# Altium PCB TTN_Gateway_V2.3.1.PcbDoc (part 3 of 3)
Units mm, origin at the board's own origin, x right, y up, seen from the top; angles counter-clockwise.
Board outline 133 x 122.84 mm, 4 copper layers (Component Side, Signal Layer 1, Signal Layer 3, Solder Side), stack 0.844 mm thick; 331 components, 261 nets, 1123 pads, 1128 vias.
Unrouted connection lines stored in the file: 8.
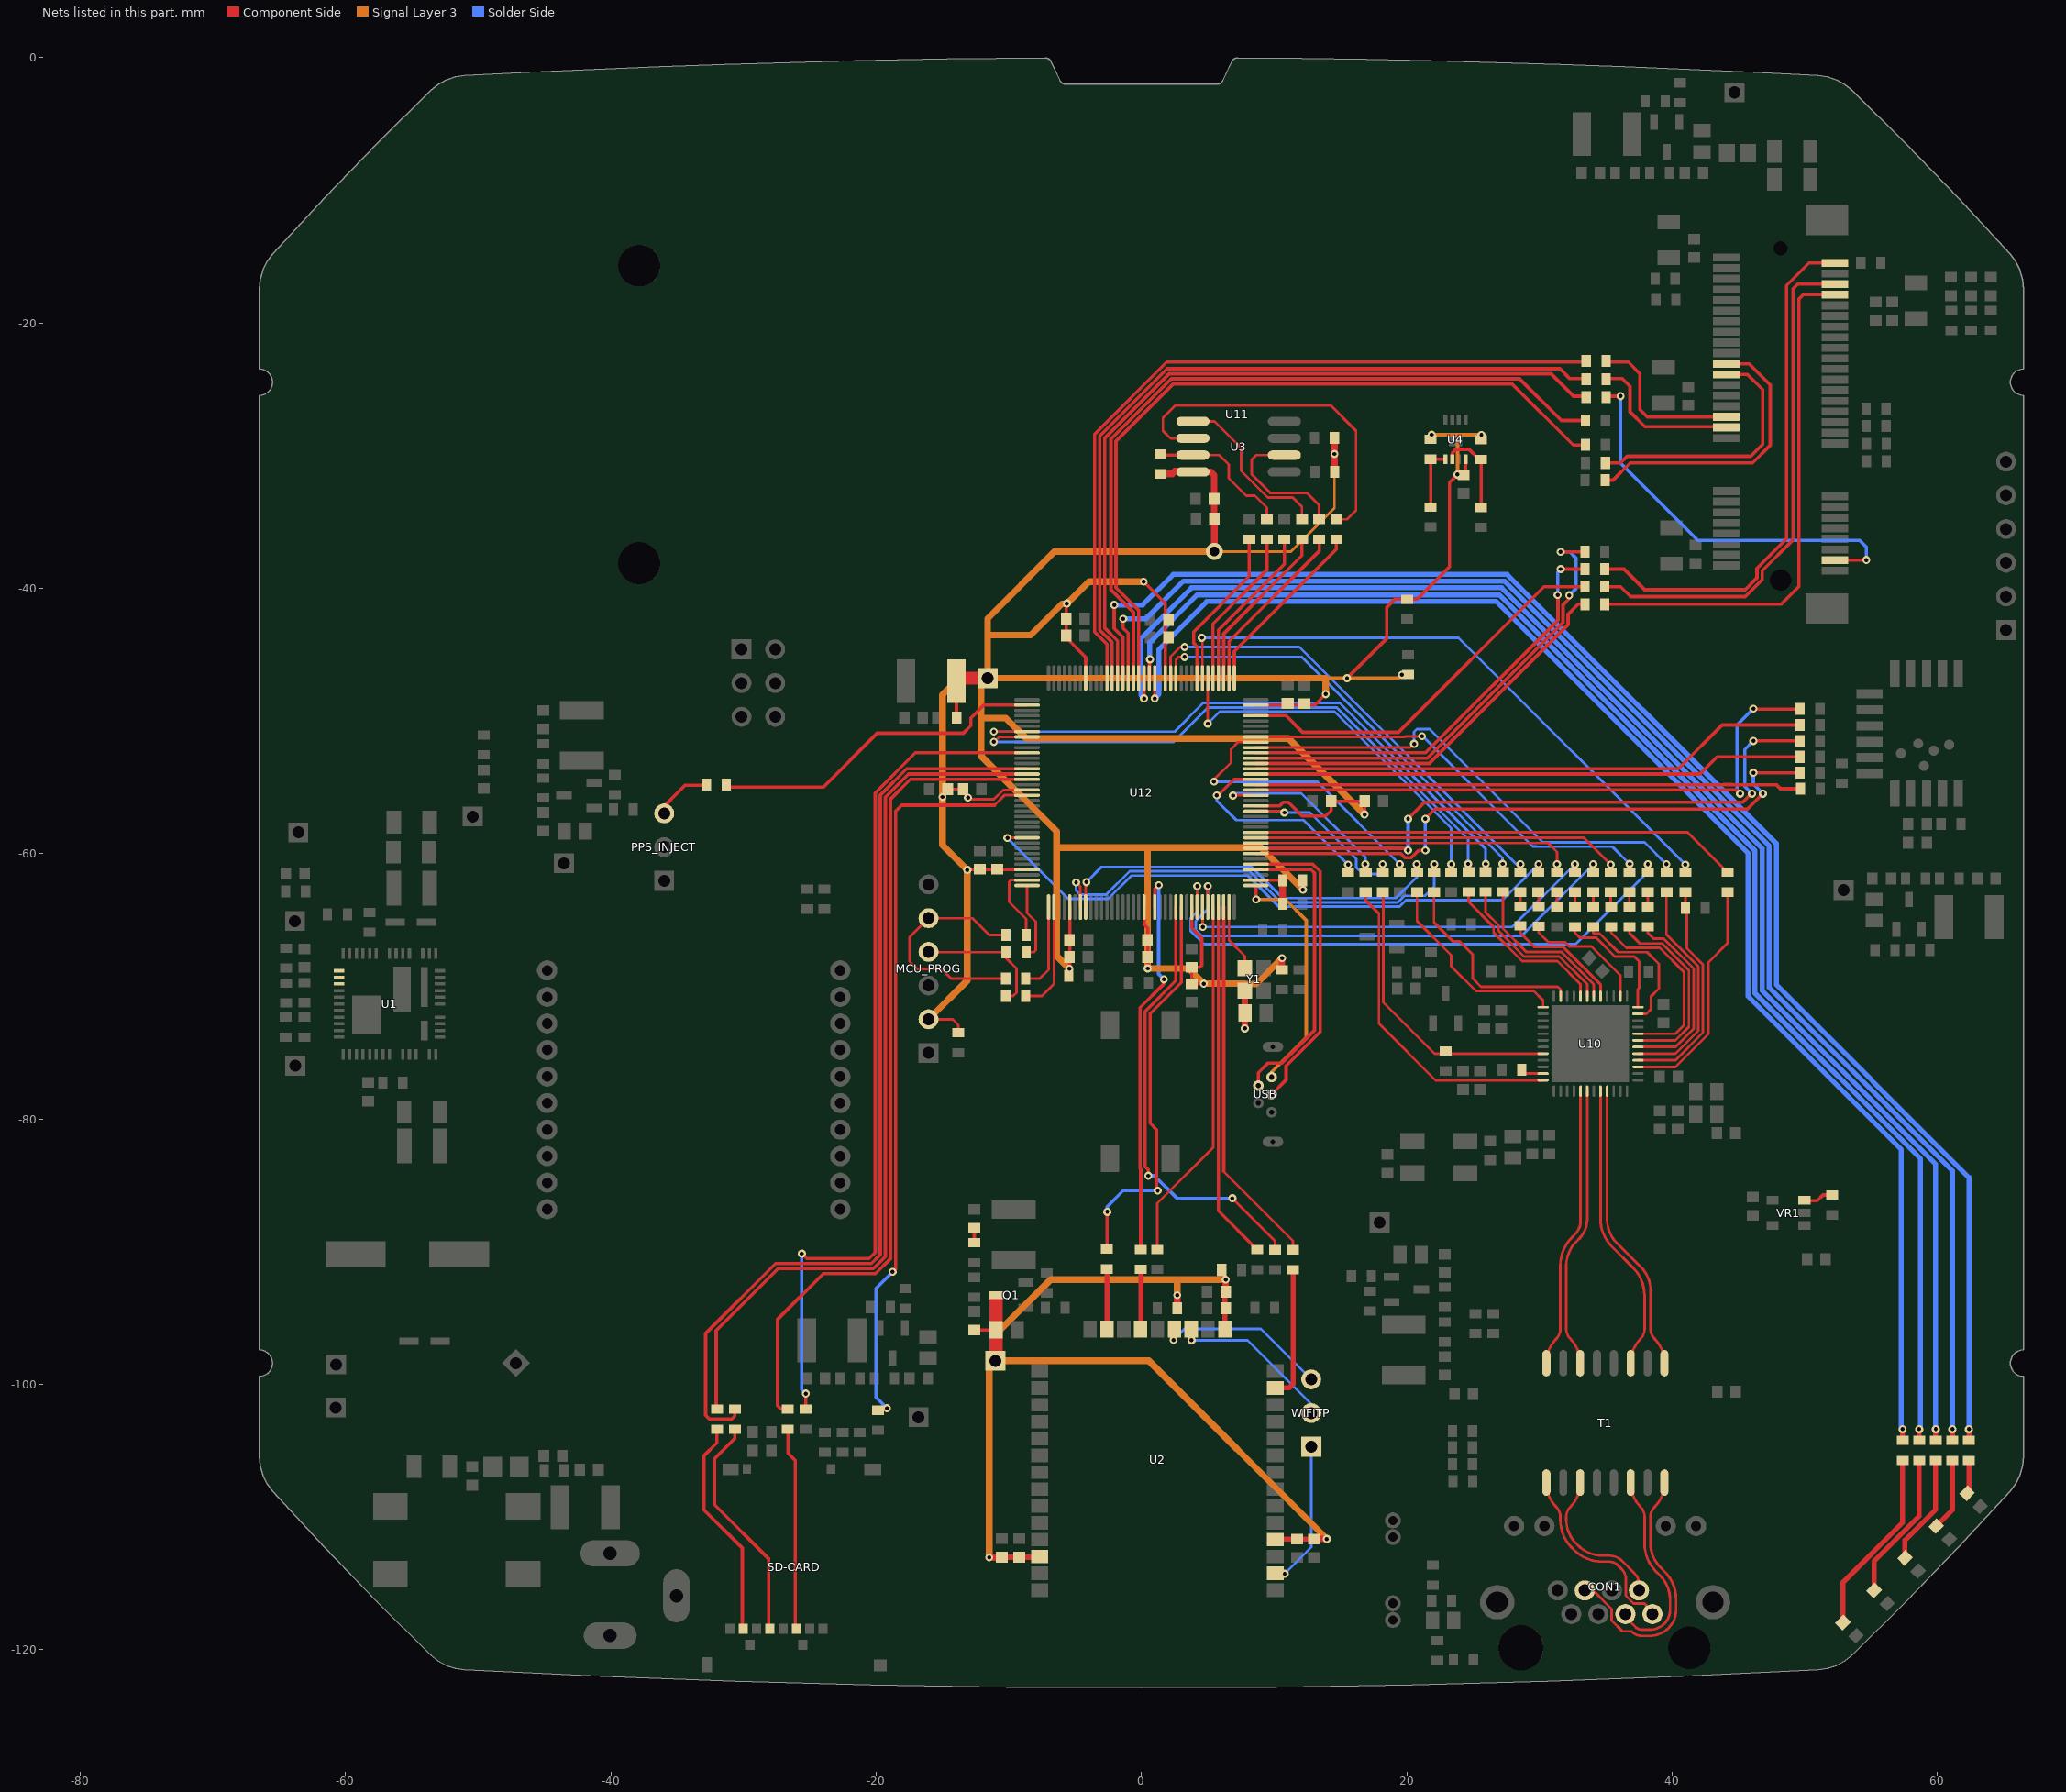
[diagram p5: the nets of this part, all layers, seen from the top]

## Via types
v1: diameter 0.61, hole 0.305, Component Side to Solder Side, tented both sides, 817 vias
v2: diameter 0.5, hole 0.3, Component Side to Solder Side, tented both sides, 272 vias
v3: diameter 0.66, hole 0.33, Component Side to Solder Side, tented top, 25 vias
v4: diameter 1.27, hole 0.711, Component Side to Solder Side, 12 vias
v5: diameter 6.1, hole 3.1, Component Side to Solder Side, 2 vias

## Nets (pads, with @x,y where several pads share a name; then routed paths per layer and width w, separated by ;. In a path a pad name is that pad's centre, name@x,y a point inside that pad or via, vN(x,y) a via of type N, cw(c..) or ccw(c..) an arc to the next point about the centre after c; other vN are vias at no path point) (continued)
NetR73_1: R73.1 R92.2 U3.7 | length 11.2
  Component Side w0.2: U3.7@3.877,-29.957 5.86,-29.957 6.575,-30.672 6.575,-31.697 7.9,-33.022 8.55,-33.022 9.45,-33.922 R92.2@9.45,-34.797
  Component Side w0.254: R73.1@1.45,-29.872 1.535,-29.957 U3.7@3.877,-29.957
NetR75_1: R75.1 U2.22 | length 4.5
  Component Side w0.381: U2.22@-2.6,-95.825 R75.1@-2.6,-91.299
NetR75_2: R75.2 U12.62 | length 30.1
  Component Side w0.254: R75.2@-2.6,-89.8 -2.6,-87.022 v1(-2.575,-86.997) ; v1(1.225,-85.397) 1.125,-85.297 1.125,-80.789 0.658,-80.322 0.658,-72.05 3,-69.708 U12.62@3,-64.022
  Solder Side w0.254: v1(-2.575,-86.997) -2.575,-86.597 -1.375,-85.397 v1(1.225,-85.397)
NetR76_2: R76.2 U12.61 | length 33.6
  Component Side w0.2: v1(6.85,-85.972) 10.075,-89.197 R76.2@10.075,-89.85
  Component Side w0.254: v1(0.525,-84.272) 0.525,-83.822 0.279,-83.576 0.279,-71.893 2.6,-69.572 U12.61@2.6,-64.022
  Solder Side w0.254: v1(0.525,-84.272) 0.975,-84.272 2.675,-85.972 v1(6.85,-85.972)
NetR77_1: R77.1 U2.13 | length 10.1
  Component Side w0.381: U2.13@10.1,-100.27 11.13,-100.27 11.425,-99.975 R77.1@11.425,-91.349
NetR77_2: R77.2 U12.70 | length 28
  Component Side w0.2: 6.2,-83.952 11.425,-89.177 R77.2@11.425,-89.85
  Component Side w0.254: 6.2,-83.952 U12.70@6.2,-64.022
NetR78_2: R78.2 U12.69 | length 27
  Component Side w0.254: U12.69@5.8,-64.022 5.8,-86.922 R78.2@8.725,-89.847
NetR79_1: R79.1 Wifi_short.2 | length 1.1
  Component Side w0.254: R79.1@-12.6,-89.325 Wifi_short.2@-12.6,-88.225
NetR80_2: R80.2 U12.68 | length 27.5
  Component Side w0.2: R80.2@1.2,-89.824 1.2,-86.347 5.4,-82.147 U12.68@5.4,-64.022
NetR81_1: R81.1 U2.20 | length 4.5
  Component Side w0.381: U2.20@-0.06,-95.825 -0.05,-95.815 R81.1@-0.05,-91.324
NetR81_2: R81.2 U12.57 | length 30.1
  Component Side w0.254: R81.2@-0.05,-89.824 -0.05,-83.783 -0.1,-83.733 -0.1,-71.601 1.65,-69.851 v1@1.65,-69.497 ; U12.57@1,-64.022 1,-62.672 v1(1.3,-62.372)
  Solder Side w0.254: v1(1.3,-62.372) 1.3,-69.072 v1(1.7,-69.472)
NetR82_1: R82.1 SD-CARD.MOSI | length 15.3
  Component Side w0.254: R82.1@-26.65,-103.372 -26.65,-105.172 -26.087,-105.735 SD-CARD.MOSI@-26.087,-118.397
NetR82_2: R82.2 U12.16 | length 63.4
  Component Side w0.254: R82.2@-26.625,-101.847 -27.175,-101.847 -27.45,-101.572 -27.45,-95.122 -23.975,-91.647 -20.05,-91.647 -18.925,-90.522 -18.925,-55.897 -17.425,-54.397 U12.16@-8.625,-54.397
NetR83_1: R83.1 SD-CARD.MISO | length 16.6
  Component Side w0.254: R83.1@-32,-103.372 -32,-104.397 -32.982,-105.379 -32.982,-109.44 -30.087,-112.335 SD-CARD.MISO@-30.087,-118.397
NetR83_2: R83.2 U12.15 | length 67
  Component Side w0.254: R83.2@-32,-101.872 -32.05,-101.822 -32.05,-95.932 -27.386,-91.268 -20.207,-91.268 -19.304,-90.365 -19.304,-55.74 -17.561,-53.997 U12.15@-8.625,-53.997
NetR84_1: R84.1 SD-CARD.CLK | length 17.3
  Component Side w0.254: R84.1@-30.65,-103.372 -30.65,-104.074 -32.175,-105.599 -32.175,-109.072 -28.087,-113.16 SD-CARD.CLK@-28.087,-118.397
NetR84_2: R84.2 U12.14 | length 71.2
  Component Side w0.254: R84.2@-30.65,-101.872 -30.65,-102.372 -30.9,-102.622 -32.55,-102.622 -32.85,-102.322 -32.85,-96.161 -27.579,-90.889 -20.364,-90.889 -19.683,-90.208 -19.683,-55.583 -17.697,-53.597 U12.14@-8.625,-53.597
NetR85_2: R85.2 U12.11 | length 65
  Component Side w0.254: v1(-25.6,-90.147) -25.237,-90.51 -20.521,-90.51 -20.062,-90.051 -20.062,-55.426 -17.033,-52.397 U12.11@-8.625,-52.397 ; R85.2@-25.3,-101.797 v1(-25.3,-100.697) v1@-25.275,-100.672
  Solder Side w0.254: v1(-25.6,-90.147) -25.6,-100.397 v1(-25.3,-100.697)
NetR86_2: R86.2 U12.19 | length 56.4
  Component Side w0.2: -11.08,-56.347 -10.33,-55.597 U12.19@-8.625,-55.597
  Component Side w0.254: v1(-18.755,-91.517) -18.525,-91.287 -18.525,-56.792 -18.08,-56.347 -11.08,-56.347
  Solder Side w0.254: v1(-19.175,-101.797) -20,-100.972 -20,-92.762 v1(-18.755,-91.517)
NetR87_1: R87.1 U12.111 | length 12.9
  Component Side w0.254: U12.111@6.2,-46.772 6.2,-43.422 12.1,-37.522 R87.1@12.1,-36.297
NetR87_2: R87.2 U3.5 | length 12.8
  Component Side w0.2: U3.5@3.877,-27.417 5.52,-27.417 7.525,-29.422 7.525,-31.147 9.525,-33.147 11.4,-33.147 12.1,-33.847 R87.2@12.1,-34.797
NetR89_1: R89.1 U12.110 | length 13.3
  Component Side w0.254: U12.110@6.6,-46.772 6.6,-43.997 13.4,-37.197 R89.1@13.4,-36.297
NetR89_2: R89.2 U3.2 | length 10.8
  Component Side w0.2: U3.2@10.777,-29.957 8.665,-29.957 8.325,-30.297 8.325,-31.422 9.725,-32.822 12.5,-32.822 13.4,-33.722 R89.2@13.4,-34.797
NetR90_1: R90.1 U12.109 | length 13.7
  Component Side w0.254: U12.109@7,-46.772 7,-44.747 14.7,-37.047 R90.1@14.7,-36.297
NetR90_2: R90.2 U3.6 | length 27
  Component Side w0.2: U3.6@3.877,-28.687 2.19,-28.687 1.625,-28.122 1.625,-27.147 2.575,-26.197 14.25,-26.197 16.175,-28.122 16.175,-34.122 15.5,-34.797 R90.2@14.7,-34.797
NetR91_1: R91.1 U12.112 | length 12.5
  Component Side w0.254: U12.112@5.8,-46.772 5.8,-43.147 10.775,-38.172 R91.1@10.775,-36.297
NetR92_1: R92.1 U12.113 | length 12.2
  Component Side w0.254: U12.113@5.4,-46.772 5.4,-42.672 9.45,-38.622 R92.1@9.45,-36.297
NetR93_2: R93.2 U12.116 | length 12.3
  Component Side w0.254: U12.116@4.2,-46.772 4.2,-44.397 3.95,-44.147 3.95,-43.259 8.125,-39.084 R93.2@8.125,-36.297
NetR94_1: R94.1 U11.45 | length 39.7
  Component Side w0.254: R94.1@34.925,-41.197 48.225,-41.197 49.559,-39.863 49.559,-18.188 49.875,-17.872 U11.45@52.275,-17.872
NetR94_2: R94.2 U12.96 | length 30.2
  Component Side w0.254: U12.96@8.625,-53.197 21.687,-53.197 32.158,-42.726 32.158,-41.964 32.925,-41.197 R94.2@33.425,-41.197
NetR95_1: R95.1 U11.47 | length 38.9
  Component Side w0.254: R95.1@34.925,-39.872 36.125,-39.872 36.875,-40.622 45.525,-40.622 46.8,-39.347 46.8,-38.672 49.1,-36.372 49.1,-17.447 49.475,-17.072 U11.47@52.275,-17.072
NetR95_2: R95.2 U12.105 | length 29.9
  Component Side w0.254: U12.105@8.625,-49.597 10.902,-49.597 12.15,-50.845 19.377,-50.845 30.35,-39.872 R95.2@33.425,-39.872
NetR96_1: R96.1 U11.51 | length 39.8
  Component Side w0.254: R96.1@34.925,-38.547 36.375,-38.547 37.925,-40.097 45.514,-40.097 46.4,-39.211 46.4,-38.497 48.625,-36.272 48.625,-17.173 50.326,-15.472 U11.51@52.275,-15.472
NetR96_2: R96.2 U12.98 | length 32.7
  Component Side w0.254: U12.98@8.625,-52.397 21.415,-52.397 31.4,-42.412 31.4,-40.522 v1(31.375,-40.497) ; v1(31.601,-38.547) R96.2@33.425,-38.547
  Solder Side w0.254: v1(31.375,-40.497) 31.375,-38.773 v1(31.601,-38.547)
NetR97_2: R97.2 U12.97 | length 35.8
  Component Side w0.254: U12.97@8.625,-52.797 21.551,-52.797 31.779,-42.569 31.779,-41.243 32.275,-40.747 v1@32.275,-40.522 ; v1(31.6,-37.247) R97.2@33.425,-37.247
  Solder Side w0.254: v1(31.6,-37.247) 32.275,-37.247 32.775,-37.747 32.775,-39.997 v1(32.25,-40.522)
NetR98_1: R98.1 U11.32 | length 22.1
  Component Side w0.254: R98.1@34.9,-31.847 R98.1@34.95,-31.847 35.55,-31.847 36.85,-30.547 46.075,-30.547 47.4,-29.222 47.4,-24.672 45.8,-23.072 U11.32@44.075,-23.072
NetR99_1: R99.1 U11.30 | length 19.8
  Component Side w0.254: R99.1@34.975,-30.547 36.125,-30.547 36.625,-30.047 45.925,-30.047 46.825,-29.147 46.825,-25.022 45.675,-23.872 U11.30@44.075,-23.872
NetR100_2: R100.2 U12.128 | length 57.7
  Component Side w0.254: U12.128@-0.6,-46.772 -0.6,-41.797 -2.296,-40.101 -2.296,-28.751 2.254,-24.201 28.504,-24.201 31.65,-27.347 R100.2@33.475,-27.347
NetR102_2: R102.2 U12.127 | length 57.7
  Component Side w0.254: U12.127@-0.2,-46.772 -0.2,-41.661 -1.917,-39.944 -1.917,-28.908 2.411,-24.58 27.932,-24.58 32.549,-29.197 R102.2@33.475,-29.197
NetR103_1: R103.1 U11.20 | length 11.9
  Component Side w0.254: R103.1@34.9,-24.197 36.25,-24.197 36.825,-24.772 36.825,-26.697 37.948,-27.821 44.075,-27.821 U11.20@44.075,-27.872
NetR103_2: R103.2 U12.132 | length 57.7
  Component Side w0.254: U12.132@-2.2,-46.772 -2.2,-44.083 -3.154,-43.129 -3.154,-28.537 1.94,-23.443 31.546,-23.443 32.3,-24.197 33.4,-24.197 R103.2@33.342,-24.255
NetR104_1: R104.1 U11.3 | length 30.8
  Component Side w0.254: R104.1@34.9,-25.522 36.1,-25.522 v1(36.112,-25.51) v1@36.125,-25.497 ; U11.3@52.275,-37.872 v1@54.625,-37.872
  Solder Side w0.254: v1(36.112,-25.51) 36.112,-30.56 41.95,-36.397 54.15,-36.397 54.638,-36.885 v1(54.638,-37.86)
NetR104_2: R104.2 U12.131 | length 57.4
  Component Side w0.254: U12.131@-1.8,-46.772 -1.8,-43.947 -2.775,-42.972 -2.775,-28.694 2.097,-23.822 30.875,-23.822 32.575,-25.522 R104.2@33.4,-25.522
NetR105_2: R105.2 U12.2 | length 25.6
  Component Side w0.254: R105.2@-31.3,-54.972 -23.975,-54.972 -19.925,-50.922 -13.425,-50.922 -12.85,-50.347 -12.85,-49.772 -11.875,-48.797 U12.2@-8.625,-48.797
NetR106_1: R106.1 U11.22 | length 12.3
  Component Side w0.254: R106.1@35.025,-22.947 36.7,-22.947 37.575,-23.822 37.575,-26.522 38.125,-27.072 U11.22@44.075,-27.072
NetR106_2: R106.2 U12.133 | length 58.1
  Component Side w0.254: U12.133@-2.6,-46.772 -2.6,-44.219 -3.533,-43.286 -3.533,-28.38 1.9,-22.947 R106.2@33.525,-22.947
NetR107_2: R107.2 U12.91 | length 47.1
  Component Side w0.254: U12.91@8.625,-55.197 44.85,-55.197 v1(45.125,-55.472) ; v1@46.152,-49.1 R107.2@49.65,-49.1
  Solder Side w0.254: v1(45.125,-55.472) 44.9,-55.247 44.9,-50.297 v1(46.125,-49.072)
NetR108_2: R108.2 U12.95 | length 42.4
  Component Side w0.254: U12.95@8.625,-53.597 40.475,-53.597 43.773,-50.3 R108.2@49.65,-50.3
NetR109_2: R109.2 U12.94 | length 41.6
  Component Side w0.254: U12.94@8.625,-53.997 42.1,-53.997 43.398,-52.7 R109.2@49.65,-52.7
NetR111_2: R111.2 U12.80 | length 48.7
  Component Side w0.254: U12.80@8.625,-59.597 19.95,-59.597 v1(20.1,-59.747) ; v1(20.1,-57.372) 21.35,-56.122 45.325,-56.122 v1@45.975,-55.472 ; v1@46.127,-51.5 R111.2@49.65,-51.5
  Solder Side w0.254: v1(20.1,-59.747) v1(20.1,-57.372) v1@20.1,-57.247 ; v1(46.025,-55.472) 45.479,-54.926 45.479,-52.143 v1(46.125,-51.497)
NetR112_2: R112.2 U12.79 | length 47.2
  Component Side w0.254: U12.79@8.625,-59.997 19.55,-59.997 19.857,-60.304 20.343,-60.304 20.9,-59.747 v1(21.4,-59.747) ; v1(21.4,-57.372) 22.125,-56.647 45.675,-56.647 v1(46.85,-55.472) ; v1(46.125,-53.897) 46.127,-53.9 R112.2@49.65,-53.9
  Solder Side w0.254: v1@21.375,-57.372 21.4,-57.397 v1(21.4,-59.747) ; v1(46.125,-53.897) 46.125,-54.747 v1(46.85,-55.472)
NetR113_2: R113.2 U12.92 | length 41.2
  Component Side w0.254: U12.92@8.625,-54.797 43.886,-54.797 43.89,-54.793 44.518,-54.793 44.522,-54.797 47.85,-54.797 48.152,-55.1 R113.2@49.675,-55.1
NetR114_2: R114.2 U12.100 | length 21.6
  Component Side w0.2: v1(5.475,-54.572) 5.475,-54.397 6.75,-53.122 6.75,-52.122 7.275,-51.597 U12.100@8.625,-51.597
  Solder Side w0.2: v1(5.475,-54.572) 13.25,-54.572 v1(19.475,-60.797)
NetR115_1: R115.1 U10.15 | length 17.6
  Component Side w0.2: U10.15@37.425,-76.072 40.242,-76.072 42.725,-73.589 42.725,-68.197 44.175,-66.747 R115.1@44.175,-62.897
NetR115_2: R115.2 U12.83 | length 36.8
  Component Side w0.2: U12.83@8.625,-58.397 41.175,-58.397 R115.2@44.175,-61.397
NetR116_1: R116.1 U10.37 | length 15.2
  Component Side w0.2: R116.1@20.775,-62.897 20.775,-65.072 23.35,-67.647 23.35,-68.488 25.212,-70.35 25.737,-70.35 25.739,-70.347 29.575,-70.347 30.275,-71.047 U10.37@30.275,-71.572
NetR116_2: R116.2 U12.44 | length 29.9
  Component Side w0.2: U12.44@-4.2,-64.022 -4.2,-62.197 v1(-4.15,-62.147)
  Solder Side w0.2: v1(-4.15,-62.147) -3,-60.997 8.294,-60.997 10.644,-63.347 19.179,-63.347 20.679,-61.847 20.75,-61.847 v1(20.75,-60.797)
NetR117_1: R117.1 U10.35 | length 15.5
  Component Side w0.2: R117.1@22.05,-62.897 22.05,-65.171 23.501,-66.622 24,-66.622 24.975,-67.597 24.975,-69.397 25.602,-70.025 25.605,-70.022 31.377,-70.022 31.6,-70.245 U10.35@31.6,-70.747
NetR117_2: R117.2 U12.43 | length 33.6
  Component Side w0.2: v1(-4.925,-62.172) -4.6,-62.497 U12.43@-4.6,-64.022
  Solder Side w0.2: v1(-4.925,-62.172) -4.925,-62.772 -4.625,-63.072 -2.635,-63.072 -0.885,-61.322 8.16,-61.322 10.51,-63.672 19.314,-63.672 19.814,-63.172 21.375,-63.172 22.075,-62.472 v1(22.075,-60.797)
NetR118_1: R118.1 U10.32 | length 12.9
  Component Side w0.2: R118.1@24.65,-62.872 24.65,-63.622 26.545,-65.517 26.545,-65.942 28.7,-68.097 31.355,-68.097 33.1,-69.842 U10.32@33.1,-70.747
NetR118_2: R118.2 U12.8 | length 45.5
  Component Side w0.2: v1(-11.125,-51.572) -11.09,-51.572 -10.715,-51.197 U12.8@-8.625,-51.197
  Solder Side w0.2: v1(-11.125,-51.572) 2.424,-51.572 5.024,-48.972 14.7,-48.972 24.625,-58.897 v1(24.625,-60.772)
NetR119_1: R119.1 U10.31 | length 12.6
  Component Side w0.2: R119.1@25.95,-62.872 25.95,-64.424 26.898,-65.371 26.898,-65.796 28.846,-67.745 31.501,-67.745 33.6,-69.844 U10.31@33.6,-70.747
NetR119_2: R119.2 U12.7 | length 46.1
  Component Side w0.2: v1(-11.125,-50.797) U12.7@-8.625,-50.797
  Solder Side w0.2: v1(-11.125,-50.797) 2.5,-50.797 4.65,-48.647 14.95,-48.647 25.95,-59.647 v1(25.95,-60.772)
NetR120_1: R120.1 U10.30 | length 12.3
  Component Side w0.2: R120.1@27.25,-62.872 27.25,-65.65 28.992,-67.392 31.647,-67.392 34.1,-69.845 U10.30@34.1,-70.747
NetR120_2: R120.2 U12.120 | length 32.8
  Component Side w0.2: U12.120@2.6,-46.772 2.6,-45.372 2.8,-45.172 v1(3.25,-45.172)
  Solder Side w0.2: v1(3.25,-45.172) 12.075,-45.172 27.225,-60.322 v1(27.225,-60.772)
NetR121_1: R121.1 R142.1 | length 1.1
  Component Side w0.2: R142.1@28.575,-63.947 R121.1@28.575,-62.897
NetR121_2: R121.2 U12.121 | length 35.1
  Component Side w0.2: U12.121@2.2,-46.772 2.2,-45.147 2.925,-44.422 v1(3.25,-44.422)
  Solder Side w0.2: v1(3.25,-44.422) 11.9,-44.422 28.275,-60.797 v1(28.575,-60.797)
NetR122_2: R122.2 U12.114 | length 28.5
  Component Side w0.2: v1(5,-50.197) U12.114@5,-46.772
  Solder Side w0.2: v1(5,-50.197) 5.9,-49.297 14.565,-49.297 23.35,-58.082 v1(23.35,-60.797)
NetR123_1: R123.1 R149.1 | length 1.1
  Component Side w0.2: R149.1@38.175,-63.997 R123.1@38.175,-62.897
NetR123_2: R123.2 U12.65 | length 42.9
  Component Side w0.2: U12.65@4.2,-64.022 v1(4.2,-62.447)
  Solder Side w0.2: v1(4.2,-62.447) 4.2,-64.372 3.7,-64.872 3.7,-65.806 4.716,-66.822 32.725,-66.822 38.175,-61.372 v1(38.175,-60.797)
NetR124_1: R124.1 R143.1 | length 1.1
  Component Side w0.2: R124.1@29.925,-62.897 29.95,-62.922 R143.1@29.95,-63.972
NetR124_2: R124.2 U12.27 | length 46.4
  Component Side w0.2: v1(-10.1,-58.822) -10.075,-58.797 U12.27@-8.625,-58.797
  Solder Side w0.2: v1(-10.1,-58.822) -5.525,-63.397 -2.5,-63.397 -0.75,-61.647 8.025,-61.647 10.375,-63.997 19.449,-63.997 19.949,-63.497 27.225,-63.497 v1(29.925,-60.797)
NetR125_1: R125.1 R148.1 | length 1.1
  Component Side w0.2: R148.1@36.775,-63.997 R125.1@36.775,-62.897
NetR125_2: R125.2 U12.101 | length 32.2
  Component Side w0.2: U12.101@8.625,-51.197 19.875,-51.197 19.924,-51.148 21.151,-51.148 v1(21.151,-51.15)
  Solder Side w0.2: v1(21.151,-51.15) 21.202,-51.15 29.5,-59.447 29.754,-59.447 29.779,-59.472 35.5,-59.472 v1(36.8,-60.772)
NetR126_1: R126.1 R144.1 | length 1.1
  Component Side w0.2: R144.1@31.325,-63.997 R126.1@31.325,-62.897
NetR126_2: R126.2 U12.81 | length 23.9
  Component Side w0.2: U12.81@8.625,-59.197 30.65,-59.197 31.325,-59.872 v1(31.325,-60.797)
NetR127_1: R127.1 R145.1 | length 1.1
  Component Side w0.2: R145.1@32.675,-63.997 R127.1@32.675,-62.897
NetR127_2: R127.2 U12.66 | length 31.5
  Component Side w0.2: U12.66@4.6,-64.022 4.625,-64.047 v1(4.625,-65.522)
  Solder Side w0.2: v1(4.625,-65.522) 27.95,-65.522 v1(32.675,-60.797)
NetR128_1: R128.1 R146.1 | length 1.1
  Component Side w0.2: R146.1@34.05,-63.997 R128.1@34.05,-62.897
NetR128_2: R128.2 U12.67 | length 37.6
  Component Side w0.2: U12.67@5,-64.022 v1(5,-62.447)
  Solder Side w0.2: v1(5,-62.447) 5,-64.172 4.095,-65.077 4.095,-65.742 4.551,-66.197 28.65,-66.197 v1(34.05,-60.797)
NetR129_1: R129.1 R147.1 | length 1.1
  Component Side w0.2: R129.1@35.375,-62.897 35.375,-63.972 R147.1@35.4,-63.997
NetR129_2: R129.2 U12.82 | length 27.6
  Component Side w0.2: U12.82@8.625,-58.797 33.35,-58.797 v1(35.375,-60.822)
NetR130_1: R130.1 U10.17 | length 16.7
  Component Side w0.2: U10.17@37.425,-75.072 40.245,-75.072 41.973,-73.345 41.973,-68.5 39.575,-66.102 R130.1@39.575,-62.897
NetR130_2: R130.2 U12.99 | length 36.3
  Component Side w0.2: U12.99@8.625,-51.997 20.275,-51.997 v1@20.575,-51.697
  Solder Side w0.2: v1(20.55,-51.722) 20.55,-50.822 20.755,-50.617 21.72,-50.617 30.25,-59.147 37.925,-59.147 v1(39.575,-60.797)
NetR132_1: R132.1 R150.1 U10.16 | length 16.9
  Component Side w0.2: U10.16@37.425,-75.572 40.243,-75.572 42.325,-73.491 42.325,-68.354 41.11,-67.138 41.11,-64.182 R150.1@41,-64.072 R132.1@41,-62.897
NetR132_2: R132.2 U12.115 | length 46.6
  Component Side w0.2: v1(4.55,-43.722) 4.6,-43.772 U12.115@4.6,-46.772
  Solder Side w0.2: v1(4.55,-43.722) 23.9,-43.722 v1(41,-60.822)
NetR133_1: R133.1 R137.1 U10.44 | length 22
  Component Side w0.2: R133.1@18.2,-62.897 18.225,-62.922 18.225,-71.197 22.1,-75.072 U10.44@30.275,-75.072
NetR133_2: R133.2 U12.87 | length 14.1
  Component Side w0.2: U12.87@8.625,-56.797 10.675,-56.797 v1(10.775,-56.897)
  Solder Side w0.2: 12.5,-56.897 v1(10.775,-56.897) 12.7,-56.897 16.2,-60.397 16.2,-61.022 16.7,-61.522 17.775,-61.522 18.175,-61.122 v1(18.175,-60.797)
NetR134_2: R134.2 U12.93 | length 15.7
  Component Side w0.254: v1(5.675,-55.597) 5.775,-55.597 6.975,-54.397 U12.93@8.625,-54.397
  Solder Side w0.2: v1(5.675,-55.597) 5.675,-55.997 7.15,-57.472 12.225,-57.472 v1(15.575,-60.822)
NetR135_1: R135.1 U10.48 | length 24.5
  Component Side w0.2: R135.1@16.9,-62.897 16.9,-63.522 17.9,-64.522 17.9,-72.797 22.175,-77.072 U10.48@30.275,-77.072
NetR135_2: R135.2 U12.90 | length 14.3
  Component Side w0.2: v1(6.9,-55.622) 6.925,-55.597 U12.90@8.625,-55.597
  Solder Side w0.2: v1(6.9,-55.622) 7.075,-55.447 12.05,-55.447 16.875,-60.272 v1(16.875,-60.797)
NetR136_1: R136.1 VR1.3 | length 1.9
  Component Side w0.254: VR1.3@50.35,-86.147 50.95,-86.147 51.375,-85.722 R136.1@52.075,-85.722
NetR139_2: R139.2 U10.47 | length 1.5
  Component Side w0.2: R139.2@28.775,-76.572 U10.47@30.275,-76.572
NetR142_2: R142.2 U10.29 | length 9.1
  Component Side w0.2: R142.2@28.575,-65.447 28.575,-65.972 29.643,-67.04 31.793,-67.04 34.6,-69.847 U10.29@34.6,-70.747
NetR143_2: R143.2 U10.26 | length 9.5
  Component Side w0.2: R143.2@29.95,-65.472 29.95,-65.947 30.69,-66.688 31.939,-66.688 32.248,-66.997 33.925,-66.997 36.105,-69.177 36.105,-70.742 U10.26@36.1,-70.747
NetR145_2: R145.2 U10.24 | length 9.7
  Component Side w0.2: R145.2@32.675,-65.497 32.675,-65.947 33.075,-66.347 34.297,-66.347 35.694,-67.745 37.148,-67.745 37.523,-68.12 37.523,-70.125 37.425,-70.222 U10.24@37.425,-71.572
NetR146_2: R146.2 U10.23 | length 11.2
  Component Side w0.2: R146.2@34.05,-65.497 34.05,-65.972 34.1,-66.022 34.55,-66.022 35.948,-67.42 38.123,-67.42 39,-68.297 39,-70.172 38.4,-70.772 38.4,-71.747 38.075,-72.072 U10.23@37.425,-72.072
NetR147_2: R147.2 U10.20 | length 14.9
  Component Side w0.2: R147.2@35.4,-65.497 35.4,-65.947 36.548,-67.095 39.073,-67.095 40.915,-68.938 40.915,-72.907 40.25,-73.572 U10.20@37.425,-73.572
NetR148_2: R148.2 U10.19 | length 14.7
  Component Side w0.2: R148.2@36.775,-65.497 36.775,-65.972 37.57,-66.767 39.244,-66.767 41.268,-68.792 41.268,-73.053 40.248,-74.072 U10.19@37.425,-74.072
NetR149_2: R149.2 U10.18 | length 14.3
  Component Side w0.2: U10.18@37.425,-74.572 40.247,-74.572 41.62,-73.199 41.62,-68.646 39.39,-66.415 38.618,-66.415 38.175,-65.972 R149.2@38.175,-65.497
NetR153_1: R153.1 U12.35 | length 5.9
  Component Side w0.2: R153.1@-8.7,-66.122 -8.7,-64.922 -9.975,-63.647 -9.975,-62.122 -9.85,-61.997 U12.35@-8.625,-61.997
NetR154_1: R154.1 U12.36 | length 5.9
  Component Side w0.2: R154.1@-8.7,-67.422 -8.125,-67.422 -7.975,-67.272 -7.975,-65.122 -8.625,-64.472 U12.36@-8.625,-62.397
NetR155_1: R155.1 U12.37 | length 6.7
  Component Side w0.2: R155.1@-8.725,-69.397 -7.65,-69.397 -7,-68.747 U12.37@-7,-64.022
NetR156_1: R156.1 U12.38 | length 8.3
  Component Side w0.2: R156.1@-8.725,-70.725 -7.502,-70.725 -6.6,-69.822 U12.38@-6.6,-64.022
NetR157_1: R157.1 STAT1.1 | length 14.1
  Component Side w0.381: STAT1.1@52.88,-117.952 52.88,-114.908 57.375,-110.413 R157.1@57.375,-105.722
NetR157_2: R157.2 U12.124 | length 108.1
  Component Side w0.254: v1(1,-48.297) U12.124@1,-46.772
  Component Side w0.381: R157.2@57.375,-104.222 v1(57.375,-103.372)
  Solder Side w0.381: v1(1,-48.297) 1.325,-47.972 1.325,-44.597 4.925,-40.997 26.754,-40.997 45.726,-59.969 45.726,-70.752 57.275,-82.301 v1@57.275,-103.372
NetR158_1: R158.1 STAT2.1 | length 11.2
  Component Side w0.381: STAT2.1@55.23,-115.527 55.23,-113.313 58.625,-109.918 R158.1@58.625,-105.722
NetR158_2: R158.2 U12.125 | length 107.3
  Component Side w0.254: U12.125@0.6,-46.772 v1@0.6,-45.397
  Component Side w0.381: R158.2@58.625,-104.222 v1(58.625,-103.372)
  Solder Side w0.381: v1@0.625,-45.322 0.625,-44.072 4.206,-40.491 26.964,-40.491 46.257,-59.784 46.257,-70.532 58.725,-83 v1@58.725,-103.372
  other v1: 0.65,-45.347
NetR159_1: R159.1 STAT3.1 | length 8.3
  Component Side w0.381: STAT3.1@57.555,-113.077 57.555,-111.742 59.875,-109.422 R159.1@59.875,-105.722
NetR159_2: R159.2 U12.126 | length 112.7
  Component Side w0.254: v1(0.2,-48.297) U12.126@0.2,-46.772
  Component Side w0.381: R159.2@59.875,-104.222 v1(59.875,-103.372)
  Solder Side w0.381: v1(0.2,-48.297) -0.05,-48.047 -0.05,-43.786 3.776,-39.96 27.148,-39.96 46.788,-59.6 46.788,-70.312 59.875,-83.399 v1(59.875,-103.372)
NetR160_1: R160.1 STAT4.1 | length 5.5
  Component Side w0.381: STAT4.1@59.905,-110.677 61.125,-109.457 R160.1@61.125,-105.722
NetR160_2: R160.2 U12.129 | length 113.3
  Component Side w0.254: v1(-1.375,-42.297) -1.375,-42.997 -1,-43.372 U12.129@-1,-46.772
  Component Side w0.381: R160.2@61.125,-104.222 v1(61.125,-103.372)
  Solder Side w0.381: v1(-1.375,-42.297) 0.325,-42.297 3.168,-39.454 27.358,-39.454 47.319,-59.415 47.319,-70.092 61.125,-83.898 v1(61.125,-103.372)
NetR161_1: R161.1 STAT5.1 | length 2.3
  Component Side w0.381: R161.1@62.375,-105.722 62.375,-107.997 STAT5.1@62.38,-108.002
NetR161_2: R161.2 U12.130 | length 116.1
  Component Side w0.2: U12.130@-1.405,-46.767 U12.130@-1.4,-46.772
  Component Side w0.254: v1(-2.05,-41.247) -2.05,-43.026 -1.4,-43.676 U12.130@-1.4,-46.772
  Component Side w0.381: R161.2@62.375,-104.222 v1(62.375,-103.372)
  Solder Side w0.381: v1(-2.05,-41.247) 0.1,-41.247 2.399,-38.948 27.567,-38.948 47.85,-59.231 47.85,-69.872 62.375,-84.397 v1(62.375,-103.372)
NetR162_1: R162.1 R163.2 U12.74 | length 3.8
  Component Side w0.254: U12.74@8.625,-61.997 R162.1@10.65,-61.997
  Component Side w0.5: R163.2@10.65,-63.772 R162.1@10.65,-61.997
NetU1_42: U1.42 U1.43 U1.44
NetU2_2: U2.2 WIFITP.1 | length 10.4
  Solder Side w0.2: v1(10.8,-114.272) 12.8,-112.272 WIFITP.1@12.8,-104.697
NetU2_17: U2.17 WIFITP.2 | length 11.7
  Solder Side w0.2: v1(3.775,-96.672) 8,-96.672 12.8,-101.472 WIFITP.2@12.8,-102.157
NetU2_18: U2.18 WIFITP.3 | length 12.3
  Solder Side w0.2: v1(2.425,-96.647) 3.25,-95.822 9.005,-95.822 WIFITP.3@12.8,-99.617
NetU12_71: U12.71 Y1.3 | length 5.1
  Component Side w0.2: U12.71@6.6,-64.022 6.6,-66.522 7.8,-67.722 Y1.3@7.8,-68.622
NetU12_76: U12.76 USB.4 | length 22.9
  Component Side w0.254: U12.76@8.625,-61.197 12.79,-61.197 13.05,-61.457 13.05,-73.314 10.589,-75.775 9.55,-75.775 8.812,-76.513 USB.4@8.812,-77.485
NetU12_77: U12.77 USB.3 | length 23.4
  Component Side w0.254: U12.77@8.625,-60.797 12.926,-60.797 13.475,-61.346 13.475,-73.425 10.9,-76 10.9,-77.047 USB.3@9.813,-78.135
PROCESSOR_VCC: C15.2 C16.2 C33.2 C34.2 C76.1 C77.1 C78.1 C79.1 C80.1 C81.1 C82.1 C83.1 C84.1 C85.1 C86.2 C87.2 C88.1 C89.1 C90.1 C91.1 C92.1 C93.1 F6.2 MCU_PROG.2 PROCESSOR_VCC_TP.1 R12.2 R47.1 R49.1 R53.1 R54.1 R58.2 R60.1 R72.2 R73.2 R151.2 R152.1 R162.2 U3.8 U4.8 U12.18 U12.33 U12.41 U12.55 U12.64 U12.88 U12.107 U12.122 U12.137 Y1.4 | length 325.1
  Component Side w0.2: MCU_PROG.2@-16.05,-72.482 -14.215,-72.482 -13.8,-72.897 R152.1@-13.8,-73.497 ; C79.1@-14.6,-55.147 C78.1@-13.45,-55.147 ; v1(-13.075,-55.772) -12.95,-55.897 -11.125,-55.897 -10.425,-55.197 U12.18@-8.625,-55.197 ; C82.1@-12.175,-61.175 C82.1@-12.152,-61.197 ; C89.1@3.775,-69.797 C88.1@3.775,-68.572
  Component Side w0.254: F6.2@-13.95,-46.997 -13.95,-49.722 R151.2@-13.925,-49.747 ; v1(-13.125,-61.222) -13.1,-61.197 -12.152,-61.197 U12.33@-8.625,-61.197 ; v1@-5.675,-41.147 C76.1@-5.675,-43.572 -5.675,-43.722 -4.2,-45.197 U12.137@-4.2,-46.772 ; v1(-5.425,-68.672) -5.4,-68.647 U12.41@-5.4,-64.022 ; v1(0.175,-39.497) 1.8,-41.122 U12.122@1.8,-46.772 ; U12.55@0.2,-64.022 0.2,-65.347 0.475,-65.622 v1(0.475,-68.647) ; C89.1@3.775,-69.797 v1(4.7,-69.797) ; C88.1@3.775,-68.572 4.4,-68.572 4.55,-68.422 4.55,-66.347 3.8,-65.597 U12.64@3.8,-64.022 ; C15.2@5.477,-34.722 C15.2@5.502,-34.747 C15.2@5.527,-34.772 ; U12.88@8.625,-56.397 10.425,-56.397 10.7,-56.122 11.075,-56.122 12.1,-57.147 13.9,-57.147 14.3,-56.747 C91.1@14.3,-56.047 14.3,-55.972 14.375,-56.047 C90.1@16.825,-56.047 v1(16.825,-57.047) ; U12.107@8.625,-48.797 13.075,-48.797 v1(13.9,-47.972) ; v1(15.5,-46.772) 18.5,-43.772 18.5,-41.422 19.1,-40.822 R54.1@20.025,-40.822 20.775,-40.822 23.225,-38.372 23.225,-32.022 v1(23.825,-31.422) ; C33.2@24.275,-31.447 24.425,-31.297 U4.8@24.425,-30.272
  Component Side w0.5: R73.2@1.45,-31.372 2.325,-31.372 2.525,-31.172 3.822,-31.172 U3.8@3.877,-31.227 5.232,-31.227 5.477,-31.472 C16.2@5.477,-33.247 C15.2@5.477,-34.722 ; v4(5.502,-37.225) C15.2@5.502,-34.747 ; v1(7.8,-73.172) C34.2@7.8,-71.997 Y1.4@7.8,-70.322 ; R58.2@10.6,-68.747 v1(10.6,-67.872) ; R72.2@14.55,-28.647 14.55,-31.197 R12.2@14.575,-31.222
  Component Side w1: F6.2@-13.725,-46.772 PROCESSOR_VCC_TP.1@-11.6,-46.772
  Signal Layer 3 w0.2: v4(5.502,-37.225) 11.273,-37.225 14.55,-33.947 v1(14.55,-29.872)
  Signal Layer 3 w0.254: 13.9,-46.772 v1(15.5,-46.772) 19.375,-46.772 v1(19.625,-46.522) ; v1(21.875,-28.422) 25.6,-28.422 v1(25.625,-28.447) ; v1(23.825,-31.422) 23.825,-28.447
  Signal Layer 3 w0.5: MCU_PROG.2@-16.05,-72.482 -13.125,-69.557 v1(-13.125,-61.222) -15,-59.347 v1(-15,-55.722) -15,-48.022 -13.807,-46.829 PROCESSOR_VCC_TP.1@-11.657,-46.829 ; -12.1,-49.772 -10.225,-49.772 -8.675,-51.322 11.1,-51.322 v1(16.825,-57.047) ; -11.6,-43.522 -8.35,-43.522 -6,-41.172 -5.625,-41.172 -3.95,-39.497 v1(0.175,-39.497) ; -6.4,-59.547 9,-59.547 v1(12.175,-62.722) ; v1(-5.425,-68.672) -6.4,-67.697 -6.4,-58.322 -12.1,-52.622 -12.1,-47.272 PROCESSOR_VCC_TP.1@-11.6,-46.772 ; 0.475,-59.597 v1(0.475,-68.647) 3.55,-68.647 v1(4.7,-69.797) 7.825,-69.797 7.8,-69.822 ; v4(5.502,-37.225) -6.552,-37.225 -11.6,-42.272 PROCESSOR_VCC_TP.1@-11.6,-46.772 ; v1(7.8,-73.172) 7.8,-69.822 ; v1(10.6,-67.872) 8.65,-69.822 7.8,-69.822 ; v1(13.9,-47.972) 13.9,-46.772 PROCESSOR_VCC_TP.1@-11.6,-46.772
  other v1: -5.625,-41.147
PROG_CLOCK: MCU_PROG.5 R153.2 R155.2 | length 18
  Component Side w0.2: R155.2@-10.225,-69.397 -14.35,-69.397 -15.075,-68.672 -16.925,-68.672 -17.475,-68.122 -17.475,-66.287 MCU_PROG.5@-16.05,-64.862 -12.735,-64.862 -11.475,-66.122 R153.2@-10.2,-66.122
PROG_DATA: MCU_PROG.4 R154.2 R156.2 | length 10.1
  Component Side w0.2: MCU_PROG.4@-16.05,-67.402 -16.03,-67.422 R154.2@-10.2,-67.422 -10.2,-67.872 -9.425,-68.647 -9.425,-70.472 -9.677,-70.725 R156.2@-10.225,-70.725
RD_N: CON1.6 T1.8 | length 19.9
  Component Side w0.2: CON1.6@33.83,-115.527 34.056,-115.527 35.45,-116.921 35.45,-117.797 36.259,-118.606 36.917,-118.606 ccw(c37.75,-117.773) 37.75,-118.951 38.278,-118.951 ccw(c38.278,-116.875) 39.746,-118.343 ccw(c38.409,-117.006) 40.3,-117.006 40.3,-116.21 ccw(c37.306,-116.21) 39.423,-114.093 39.121,-113.791 cw(c40.917,-111.995) 38.377,-111.995 38.377,-109.966 cw(c39.398,-109.966) 38.676,-109.244 ccw(c36.88,-107.448) 39.42,-107.448 T1.8@39.42,-107.4
RD_P: CON1.3 T1.6 | length 15.2
  Component Side w0.2: CON1.3@36.48,-117.307 36.48,-117.527 37.238,-118.285 ccw(c37.75,-117.773) 37.75,-118.497 38.278,-118.497 ccw(c38.278,-116.875) 39.425,-118.022 ccw(c38.409,-117.006) 39.846,-117.006 39.846,-116.21 ccw(c37.306,-116.21) 39.102,-114.414 38.8,-114.112 cw(c40.917,-111.995) 37.923,-111.995 37.923,-109.966 ccw(c36.902,-109.966) 37.624,-109.244 cw(c39.42,-107.448) 36.88,-107.448 T1.6@36.88,-107.4
RX_N: T1.9 U10.9 | length 21.9
  Component Side w0.2: U10.9@35.1,-77.897 35.1,-87.556 ccw(c37.64,-87.556) 35.844,-89.352 37.633,-91.141 cw(c35.837,-92.937) 38.377,-92.937 38.377,-95.834 ccw(c39.398,-95.834) 38.676,-96.556 cw(c36.88,-98.352) 39.42,-98.352 T1.9@39.42,-98.4
RX_P: T1.11 U10.8 | length 21.9
  Component Side w0.2: U10.8@34.6,-77.897 34.6,-87.51 ccw(c37.594,-87.51) 35.477,-89.627 37.046,-91.196 cw(c34.929,-93.313) 37.923,-93.313 37.923,-95.834 cw(c36.902,-95.834) 37.624,-96.556 ccw(c39.42,-98.352) 36.88,-98.352 T1.11@36.88,-98.4
SCL: R47.2 R51.1 U4.6 | length 6.7
  Component Side w0.254: U4.6@23.425,-30.272 23.425,-29.797 23.698,-29.524 24.279,-29.524 24.281,-29.522 24.7,-29.522 25.475,-30.297 R47.2@25.6,-30.297 R51.1@25.6,-33.897
SDA: R49.2 R52.1 U4.5 | length 4.7
  Component Side w0.254: R52.1@21.8,-33.872 R49.2@21.8,-30.272 U4.5@22.925,-30.272
TD_N: CON1.2 T1.3 | length 11.6
  Component Side w0.2: T1.3@33.07,-107.4 33.07,-107.448 cw(c30.53,-107.448) 32.326,-109.244 ccw(c33.048,-109.966) 32.027,-109.966 32.027,-110.2 ccw(c34.567,-110.2) 32.771,-111.996 32.927,-112.152 ccw(c34.723,-110.356) 34.723,-112.896 35.225,-112.896 cw(c35.225,-114.316) 36.229,-113.312 37.207,-114.29 cw(c36.5,-114.997) 37.5,-114.997 CON1.2@37.5,-115.527
TD_P: CON1.1 T1.1 | length 14.9
  Component Side w0.2: T1.1@30.53,-107.4 30.53,-107.448 ccw(c33.07,-107.448) 31.274,-109.244 cw(c30.552,-109.966) 31.573,-109.966 31.573,-110.2 ccw(c34.567,-110.2) 32.45,-112.317 32.606,-112.473 ccw(c34.723,-110.356) 34.723,-113.35 35.225,-113.35 cw(c35.225,-114.316) 35.908,-113.633 36.22,-113.945 cw(c35.513,-114.652) 36.513,-114.652 36.513,-115.936 37.091,-116.514 37.909,-116.514 38.287,-116.892 38.52,-116.659 CON1.1@38.52,-117.307
TX_N: T1.14 U10.6 | length 21.2
  Component Side w0.2: T1.14@33.07,-98.4 33.07,-98.352 ccw(c30.53,-98.352) 32.326,-96.556 cw(c33.048,-95.834) 32.027,-95.834 32.027,-91.042 cw(c34.567,-91.042) 32.771,-89.246 32.996,-89.021 ccw(c31.538,-87.563) 33.6,-87.563 U10.6@33.6,-77.897
TX_P: T1.16 U10.5 | length 21.2
  Component Side w0.2: T1.16@30.53,-98.4 30.53,-98.352 cw(c33.07,-98.352) 31.274,-96.556 ccw(c30.552,-95.834) 31.573,-95.834 31.573,-91.042 cw(c34.567,-91.042) 32.45,-88.925 ; 32.45,-88.925 32.675,-88.7 ccw(c31.649,-87.674) 33.1,-87.674 U10.5@33.1,-77.897
UC_PPS_OUT: PPS_INJECT.3 R105.1 | length 5.1
  Component Side w0.254: PPS_INJECT.3@-35.975,-56.967 -36.52,-56.967 -34.4,-54.847 R105.1@-32.8,-54.847
VBUS: U12.73 USB.5 | length 18.3
  Component Side w0.254: v1@8.625,-63.422 U12.73@8.625,-62.397
  Signal Layer 3 w0.254: v1(8.65,-63.447) 10.85,-63.447 12.425,-65.022 12.425,-73.85 9.813,-76.463 USB.5@9.813,-76.835
WIFI_VCC: C9.2 C10.2 C11.2 C12.2 C13.2 C14.2 C19.2 Q1.1 R9.2 R10.2 U2.4 U2.15 U2.35 WIFI_ON.1 WIFI_VCC_TP.1 | length 87.4
  Component Side w0.254: WIFI_ON.1@-12.6,-95.899 -10.975,-95.899 C19.2@-10.95,-95.874 ; R9.2@6.05,-91.372 6.05,-91.797 v1(6.35,-92.097)
  Component Side w0.381: C12.2@-10.525,-113.025 C11.2@-9.225,-113.025 -7.735,-113.025 U2.35@-7.68,-112.97 ; U2.15@6.29,-95.825 6.29,-93.06 C14.2@6.35,-92.999 ; U2.4@10.1,-111.7 10.15,-111.649 C9.2@11.75,-111.649 C10.2@13.025,-111.649
  Component Side w0.5: v1(-11.475,-113.047) C12.2@-10.548,-113.047 ; R10.2@2.7,-94.274 v1(2.7,-93.272) ; C14.2@6.35,-92.999 v1(6.35,-92.097) ; C10.2@13.027,-111.647 v1(13.975,-111.647)
  Component Side w1: WIFI_VCC_TP.1@-10.95,-98.172 C19.2@-10.95,-95.874 Q1.1@-10.95,-93.524
  Signal Layer 3 w0.5: v1(-11.475,-113.047) -11.475,-98.697 WIFI_VCC_TP.1@-11,-98.222 ; v1(2.7,-93.272) 2.7,-92.122 ; v1(6.35,-92.097) -6.85,-92.097 -11,-96.247 WIFI_VCC_TP.1@-11,-98.222 ; v1(13.975,-111.647) 0.55,-98.222 WIFI_VCC_TP.1@-11,-98.222
pads on no net: Bee.4 Bee.5 Bee.6 Bee.7 Bee.8 Bee.9 Bee.11 Bee.12 Bee.13 Bee.14 Bee.16 Bee.17 Bee.18 Bee.19 Bee.20 CON1. D15.2 D16.2 MCU_PROG.6 SD-CARD.DAT1 SD-CARD.DAT2 SD-CARD.SHIELD T1.4 T1.5 T1.12 T1.13 U1. U2.5 U2.6 U2.7 U2.8 U2.9 U2.10 U2.11 U2.12 U2.25 U2.26 U2.28 U2.29 U2.30 U2.31 U2.32 U2.33 U4. U4.1 U4.2 U4.3 U4.7 U11.1 U11.6 U11.7 U11.8 U11.10 U11.11 U11.12 U11.13 U11.14 U11.16 U11.23 U11.25 U11.28 U11.31 U11.33 U11.36 U11.38 U11.MH1 U11.MH2 U11.MP1 U11.MP2 U12.1 U12.4 U12.5 U12.9 U12.10 U12.13 U12.21 U12.22 U12.23 U12.24 U12.25 U12.26 U12.28 U12.29 U12.30 U12.31 U12.34 U12.39 U12.40 U12.45 U12.46 U12.50 U12.51 U12.52 U12.53 U12.56 U12.58 U12.60 U12.78 U12.102 U12.103 U12.104 U12.106 U12.117 U12.134 U12.135 U12.139 U12.140 U12.141 U12.142 U13.1 U13.3 U13.4 U13.5 U13.6 U13.12 U13.15 U13.TP-1 U13.TP-2 U13.TP-3 U13.TP-4 U13.TP-5 USB. USB.2 VR1.4
copper on no net:
  other v5: 52.8,-106.95 -52.8,-15.85

## Polygon pours and split planes (outlines as drawn)
3.3V_RAIL on Signal Layer 3 "Component Side-No Net" (solid, remove dead copper, pour order 44): -73.025,3.35 68.3,3.35 68.3,-126.675 68.05,-126.425 -73.025,-126.425
GND on Signal Layer 3 "Component Side-No Net" (solid, remove dead copper, pour order 42): -54.7,-54.875 -66.5,-54.874 -66.5,-107.05 -65.462,-108.088 -62.287,-104.913 -54.7,-104.913
NetC3_1 on Signal Layer 3 "Component Side-No Net" (solid, remove dead copper, pour order 38): -54.05,-72.15 -54.05,-103.2 -53.1,-104.15 -52.35,-104.9 -42.5,-104.9 -42.5,-101.8 -47.5,-96.8 -47.5,-72.15
GND on Component Side "Component Side-No Net 1" (solid, pour order 48): -58.323,-115.097 -57.764,-115.656 -57.764,-115.111 -57.775,-115.1
GND on Component Side "Component Side-No Net" (solid, remove dead copper, pour order 36): -72.525,2.925 -72.175,2.575 67.1,2.575 67.1,-111.975 53.55,-125.525 52.875,-126.2 -74.225,-126.2
NetD5_3 on Component Side "Component Side-No Net 1" (solid, pour order 34): -33.875,-113.625 -33.875,-122.258 -41.867,-122.258 -49,-115.125 -49,-113 -45,-113 -43.625,-114.375 -36.875,-114.375 -36.875,-113.875 -36.625,-113.625
NetC3_1 on Component Side "Component Side-No Net" (solid, pour order 32): -54.05,-72.15 -54.05,-103.2 -53.1,-104.15 -52.35,-104.9 -42.5,-104.9 -42.5,-101.8 -47.5,-96.8 -47.5,-72.15
GND on Signal Layer 1 "Top Paste-No Net" (solid, remove dead copper, pour order 12): -73.875,2.725 69.6,2.725 69.35,2.475 69.35,-126.575 -73.875,-126.575
GND on Solder Side "Component Side-No Net" (solid, remove dead copper, pour order 46): -73.025,3.35 68.3,3.35 68.3,-126.675 68.05,-126.425 -73.025,-126.425

## Keep-outs
Keep-Out Layer:
  lines w0.5: -51.009,-1.352 cw(c0,-961.203) -21.623,-0.24 cw(c0,-961.203) -18.369,-0.173 cw(c0,-961.203) -7.247,-0.024 ; -51.005,-1.351 -51.715,-1.454 -52.396,-1.681 -53.025,-2.026 -53.582,-2.479 -57.626,-6.495 -61.587,-10.595 -65.462,-14.776 -65.904,-15.364 -66.231,-16.023 -66.432,-16.731 -66.5,-17.464 -66.5,-23.464 -66.277,-23.489 -66.066,-23.563 -65.877,-23.683 -65.718,-23.841 -65.599,-24.03 -65.525,-24.242 -65.5,-24.464 -65.525,-24.687 -65.599,-24.898 -65.718,-25.088 -65.877,-25.246 -66.066,-25.365 -66.277,-25.439 -66.5,-25.464 -66.5,-97.4 -66.277,-97.425 -66.066,-97.499 -65.877,-97.618 -65.718,-97.776 -65.599,-97.966 -65.525,-98.177 -65.5,-98.4 -65.525,-98.622 -65.599,-98.833 -65.718,-99.023 -65.877,-99.181 -66.066,-99.3 -66.277,-99.374 -66.5,-99.4 -66.5,-105.399 -66.432,-106.132 -66.231,-106.841 -65.904,-107.5 -65.462,-108.088 -61.587,-112.269 -57.626,-116.369 -53.582,-120.385 -53.025,-120.838 -52.396,-121.183 -51.715,-121.41 -51.005,-121.513 -40.811,-122 -30.612,-122.379 -20.41,-122.65 -10.206,-122.813 0,-122.867 10.206,-122.813 20.41,-122.65 30.612,-122.379 40.811,-122 51.005,-121.513 51.715,-121.41 52.396,-121.183 53.025,-120.838 53.582,-120.385 57.626,-116.369 61.587,-112.269 65.462,-108.088 65.904,-107.5 66.231,-106.841 66.432,-106.132 66.5,-105.399 66.5,-99.4 66.292,-99.378 66.093,-99.313 65.912,-99.209 65.757,-99.069 65.634,-98.9 65.549,-98.709 65.505,-98.504 65.505,-98.295 65.549,-98.09 65.634,-97.9 65.757,-97.73 65.912,-97.59 66.093,-97.486 66.292,-97.421 66.5,-97.4 66.5,-25.464 66.292,-25.443 66.093,-25.378 65.912,-25.273 65.757,-25.133 65.634,-24.964 65.549,-24.773 65.505,-24.569 65.505,-24.36 65.549,-24.155 65.634,-23.964 65.757,-23.795 65.912,-23.655 66.093,-23.551 66.292,-23.486 66.5,-23.464 66.5,-17.464 66.432,-16.731 66.231,-16.023 65.904,-15.364 65.462,-14.776 61.587,-10.595 57.626,-6.495 53.582,-2.479 53.025,-2.026 52.396,-1.681 51.715,-1.454 51.005,-1.351 ; -7.251,-0.024 cw(c-7.247,-0.524) -6.794,-0.313 -6.136,-1.725 ccw(c-5.682,-1.514) -5.679,-2.014 ; -5.675,-2.014 cw(c0,-961.203) 5.675,-2.014 ; 5.679,-2.014 ccw(c5.682,-1.514) 6.136,-1.725 6.794,-0.313 cw(c7.247,-0.524) 7.251,-0.024 ; 7.247,-0.024 cw(c0,-961.203) 51.009,-1.352

## Other copper
Component Side:
  rectangle net NetC3_1: -54.05,-75.777 -52,-72.099
  rectangle net NetR6_1: -56.8,-68.95 -55.075,-67.125
  rectangle net NetU1_42: -60.775,-69.95 -60.175,-68.7
  rectangle net GND: -61.125,-75.525 -60.05,-73.7
  rectangle net NetD1_1: -59.675,-75.8 -58.05,-74.775
  rectangle net 3.3V_RAIL: -54.05,-71.6 -48.725,-55.622
  rectangle net GND: -57.8,-75.4 -56.55,-74.775
  rectangle net NetR6_1: -55.8,-75.475 -54.55,-74.775
  rectangle net GND: -58.15,-115.25 -54.725,-113.25
  rectangle net NetD5_3: -48.275,-115.35 -44.925,-113.325
  rectangle net GND: -57.764,-115.676 -54.725,-112.575
  rectangle net GND: -58.25,-115.15 -57.525,-112.9
  pour cut-out: -60.075,-67.575 -53.6,-67.575 -53.6,-75.05 -60.075,-75.05
Solder Side:
  rectangle net NetR6_1: -56.35,-75.825 -55.675,-70.325
  rectangle net NetR6_1: -56.375,-75.825 -54.55,-75.15
  rectangle net NetR6_1: -56.35,-71.9 -55.075,-70.325
Multi-Layer:
  pour cut-out: 62.375,-42.247 66.5,-42.247 66.5,-60.197 62.375,-60.197
  pour cut-out: -19.096,-116.017 16.55,-116.018 16.55,-122.897 -19.106,-122.897
  pour cut-out: 27.025,-99.797 42.85,-99.797 42.85,-121.902 42.278,-122.474 27.025,-122.474

## Silkscreen, mask and mechanical layers (free items; w line width, h text height)
Top Overlay:
  drawing of 6668 lines, arcs and shapes, not listed
  text "By Tweetonig for the Things Network 2016" at -43.15,-2.9 h1.5
  text "TX" at -28.5,-42.847 h1.52
  text "RX" at -32.15,-42.897 h1.52
  text "1" at -26.05,-45.347 h1.52
  text "2" at -26.05,-47.947 h1.52
  text "GND" at -26,-50.447 h1.52
  text "MCU" at -33.875,-58.872 h3
  text "GPS" at -33.875,-61.372 h3
  text "BEE" at -36.65,-82.622 h4
Bottom Overlay:
  drawing of 4925 lines, arcs and shapes, not listed
Mechanical 1:
  drawing of 295 lines, arcs and shapes, not listed

## Text inside footprints (layer, text, board x,y; h text height)
C3: Top Overlay "+" at -50.825,-86.197 h1.52; Top Overlay "-" at -61.925,-88.697 h1.52